# Altium PCB CSUEAF4 - 布局部分改动+扇孔.PcbDoc
Units mil, origin at the board's own origin, x right, y up, seen from the top; angles counter-clockwise.
Board outline 3937.01 x 3937.01 mil, 2 copper layers (Top Layer, Bottom Layer); 84 components, 104 nets, 448 pads, 71 vias.
Unrouted connection lines stored in the file: 132.
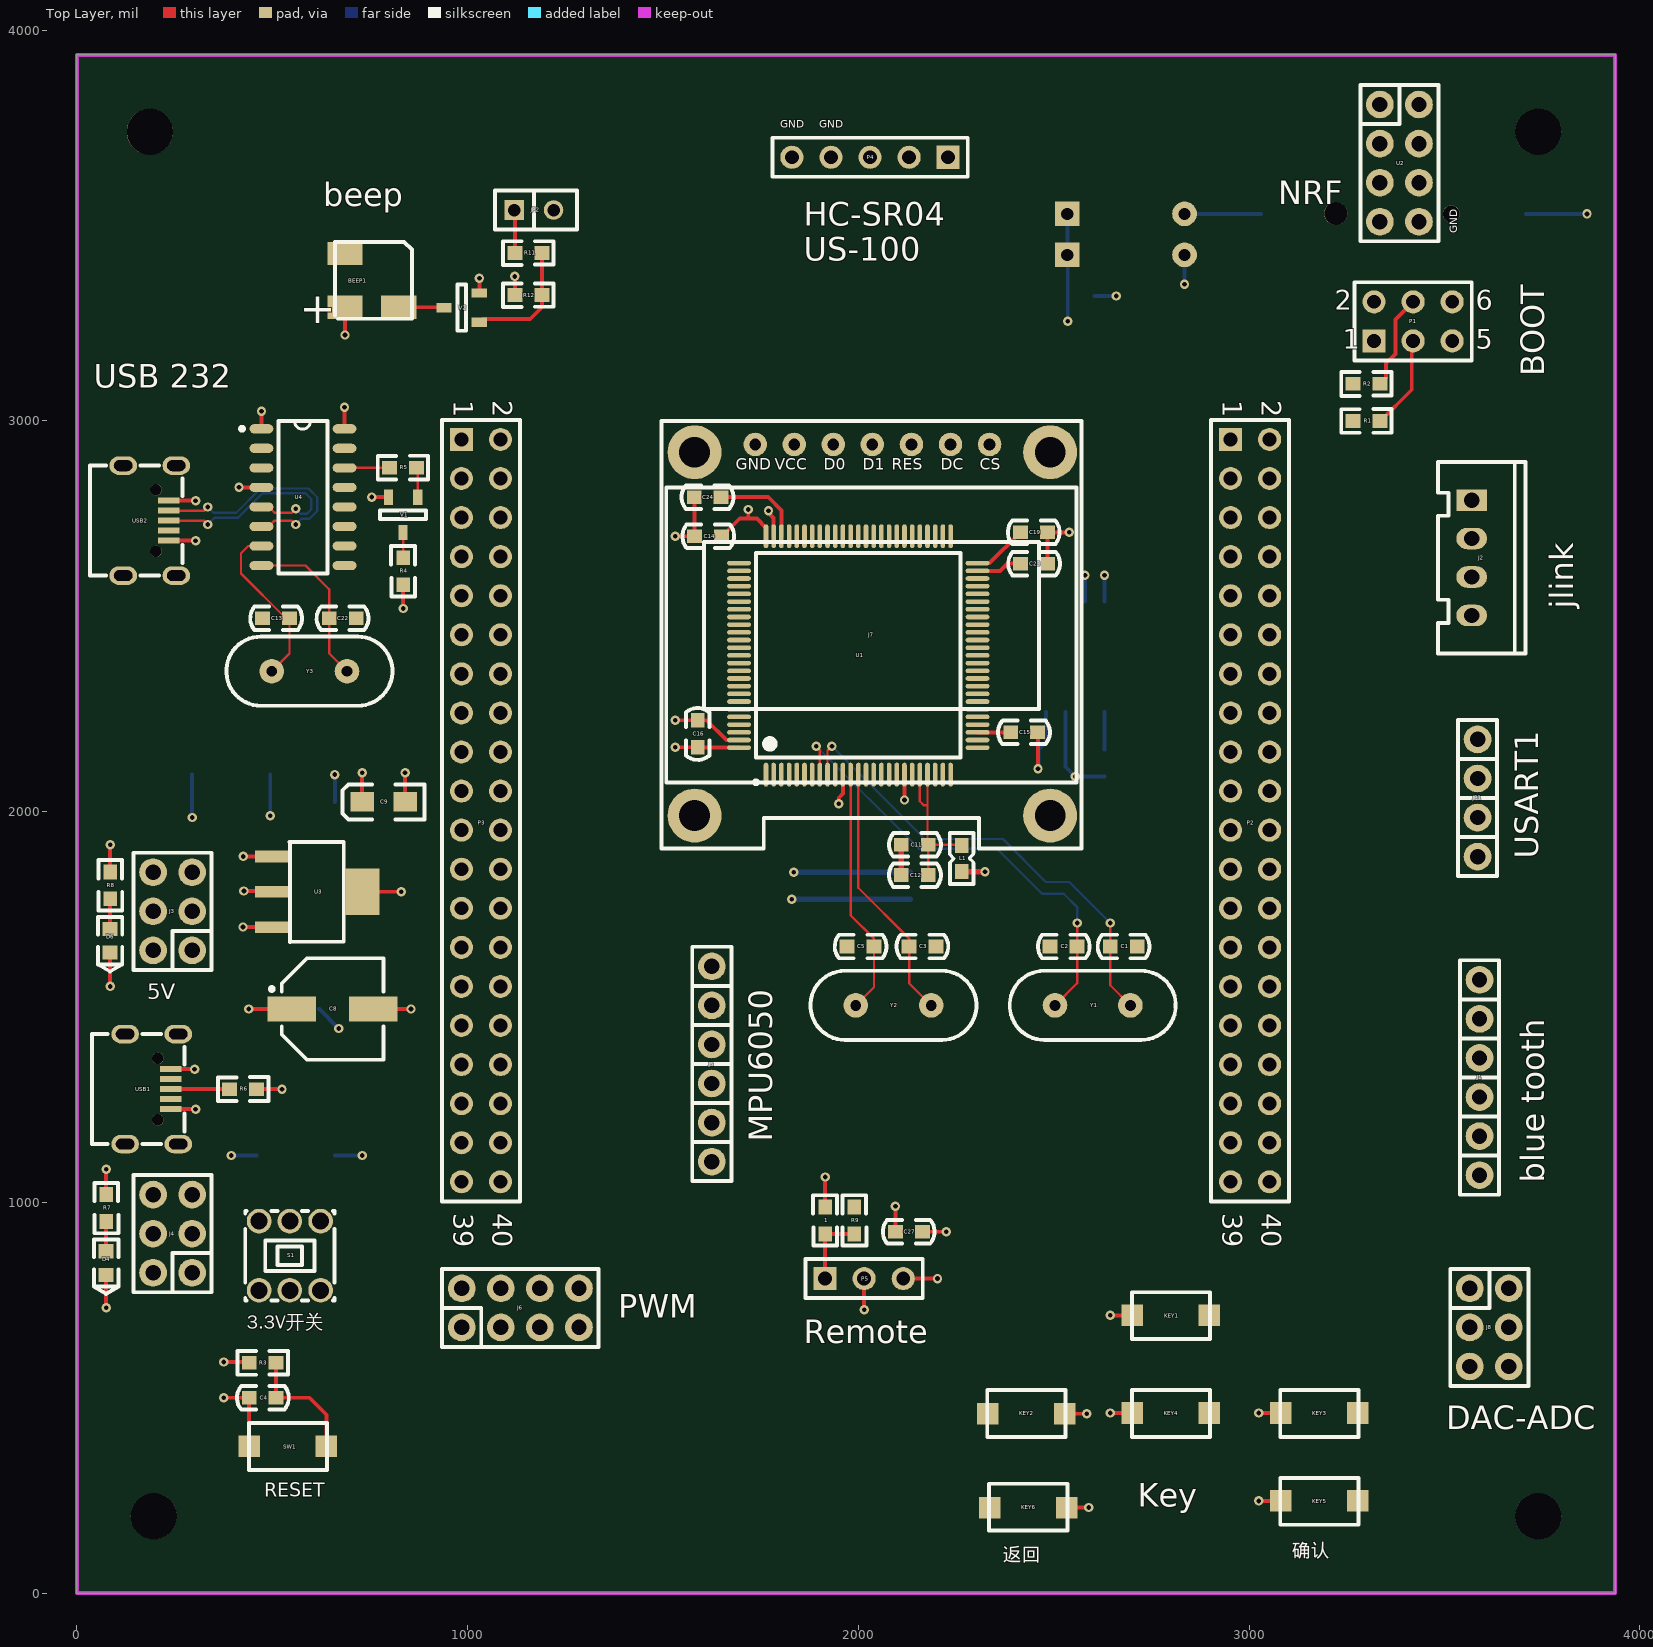
[diagram p0: Top Layer view]
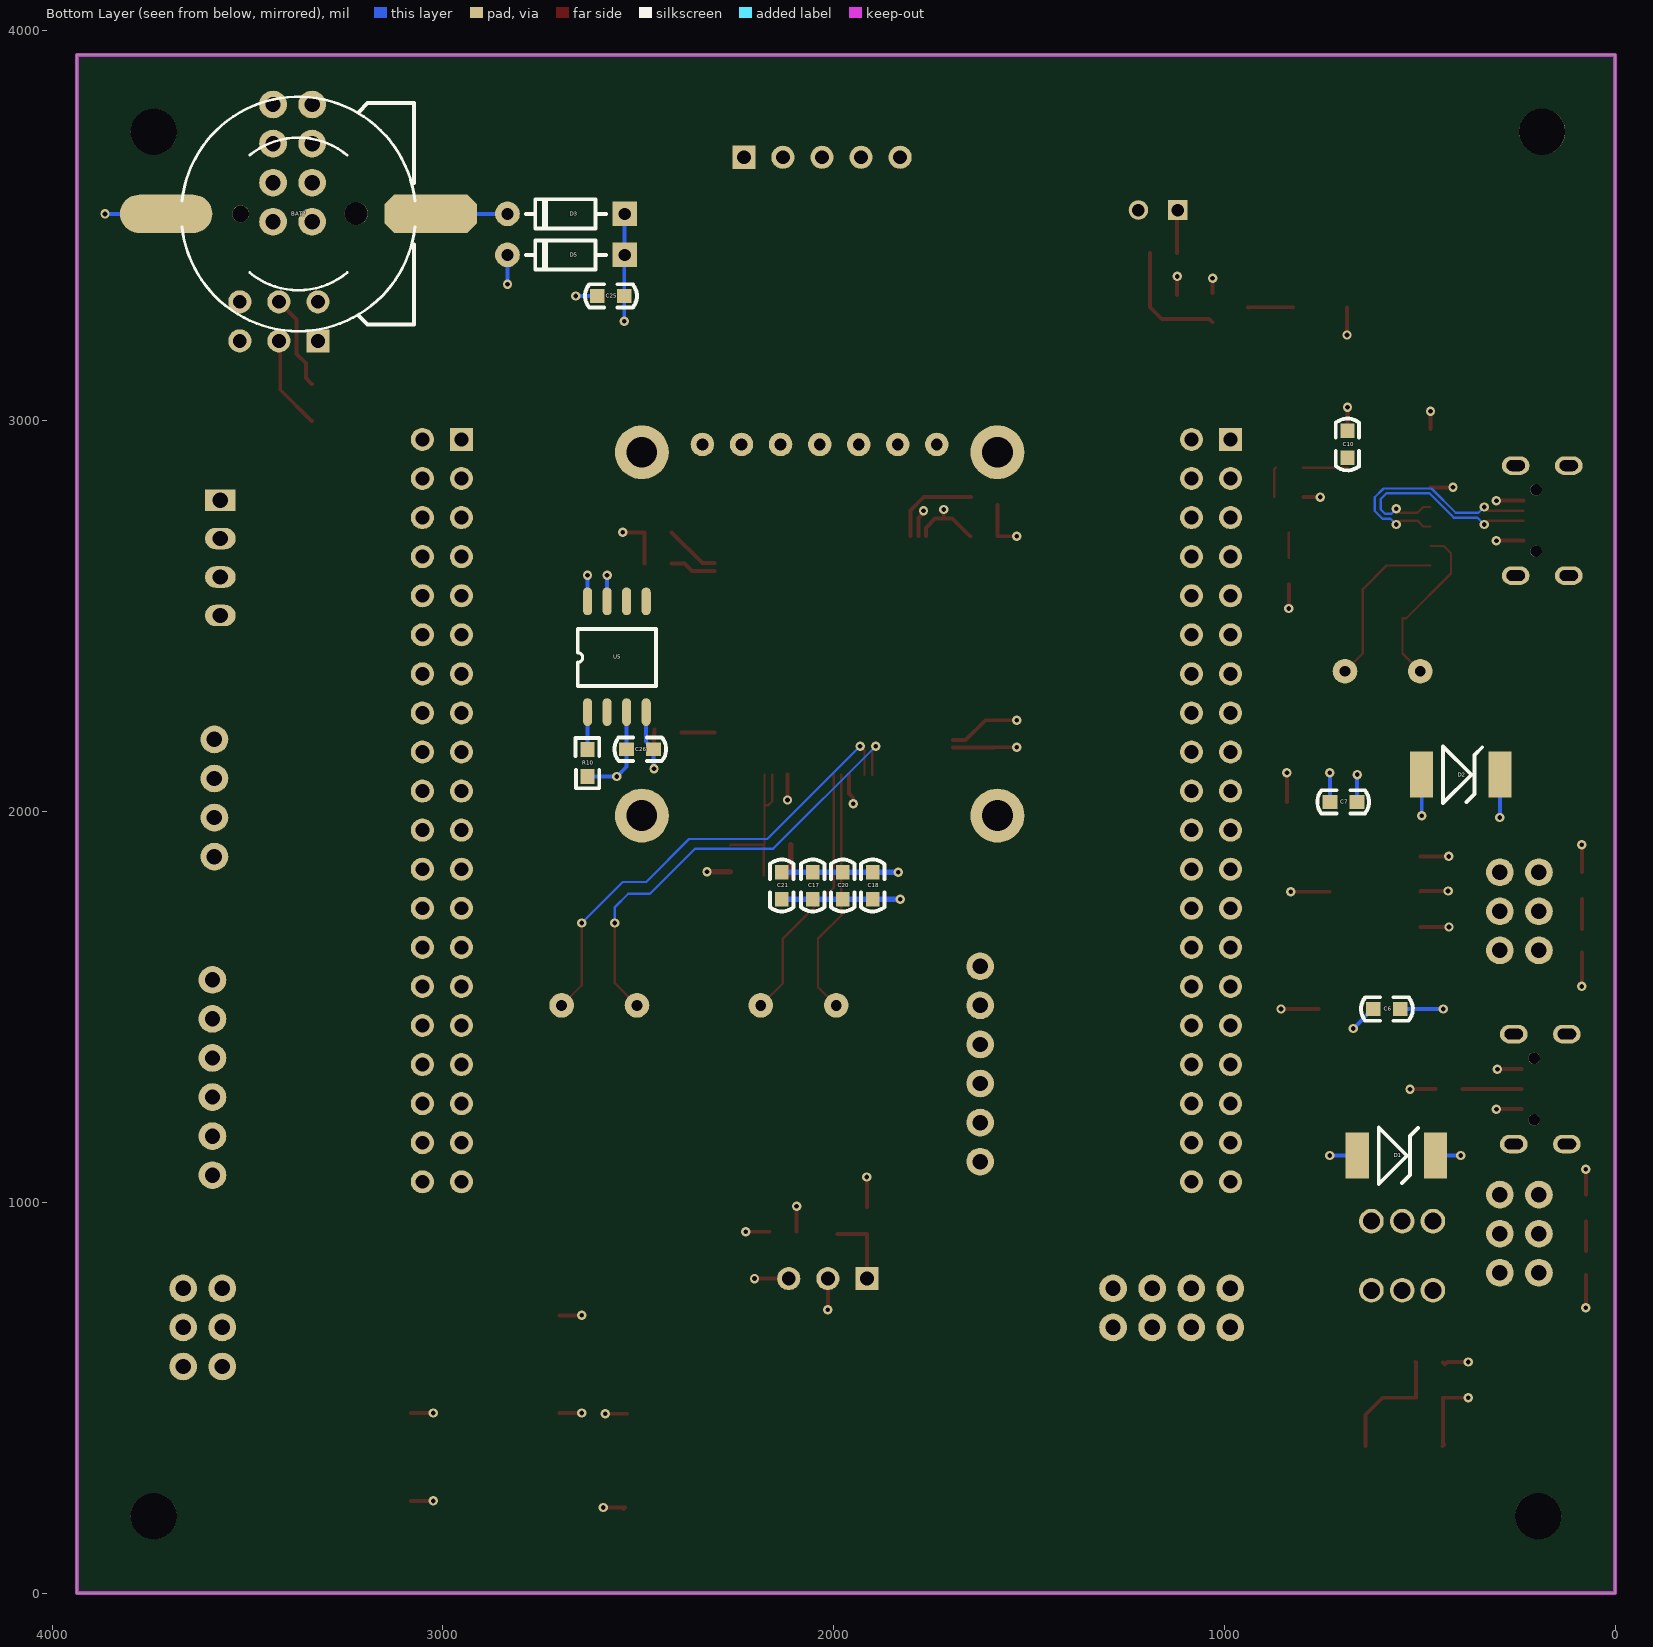
[diagram p1: Bottom Layer view, seen from below]

## Layer stack, top to bottom
Top Solder: solder mask 0.4, Solder Resist, Dk 3.5
Top Layer: signal copper 1.4
Dielectric 1: dielectric 12.6, FR-4, Dk 4.8
Bottom Layer: signal copper 1.4
Bottom Solder: solder mask 0.4, Solder Resist, Dk 3.5

## Board outline
0,0 3937.01,0 3937.01,3937.01 0,3937.01

## Design rules (kind name [scope] priority, off if disabled: settings)
Clearance ALL [All] p1: gap=6 ignorepadtopadclearanceinfootprint=FALSE
Clearance VIA-POLY [isvia vs inpolygon] p2: gap=6 ignorepadtopadclearanceinfootprint=FALSE
Clearance POLY [inpolygon] p3: gap=10 ignorepadtopadclearanceinfootprint=FALSE
PolygonConnect [All] p1: connectstyle=Relief reliefconductorwidth=18 reliefentries=4 polygonreliefangle="90 Angle" airgapwidth=10
RoutingVias [All] p1: holewidth=12 width=24 viastyle="Through Hole" minholewidth=12 minwidth=24 maxholewidth=12 maxwidth=24
SilkToSilkClearance [All] p1: silktosilkclearance=2
SilkToSolderMaskClearance [IsPad] p1: minsilkscreentomaskgap=2 clearancetoexposedcopper=TRUE
SolderMaskExpansion [All] p1: expansion=2.5
Width POW [InNetClass('POW')] p1: maxlimit=60 minlimit=10 preferedwidth=15
Width [All] p2: maxlimit=6 minlimit=6 preferedwidth=6
28 further rules are at their usual default settings.

## Classes and differential pairs
net class POW: 3V3 5V GND VBAT VUSB

## Components (designator, comment, footprint, x,y, rotation, side; value= is the part's Value field where it differs from the comment)
1 "电阻" R0603 1915,988.37 r270 top value=150R
BAT? "BATT" BATM 3370,3530 r90 bottom
BEEP1 "蜂鸣器" Beep-5.0*5.0 755,3360 r0 top
C1 "15pF" C0603 2714,1655 r180 top value=22pF
C2 "15pF" C0603 2491,1655 r0 top value=22pF
C3 "22pF" C0603 2199,1655 r180 top
C4 "104" C0603 441,500 r0 top value=22pF
C5 "22pF" C0603 1971,1655 r0 top
C6 "电容104" C0603 619,1495 r180 bottom value=22pF
C7 "电容104" C0603 661,2025 r0 bottom value=22pF
C8 "电解电容106" "贴片电解 6.3*5.4" 654.33,1495 r0 top value=100pF
C9 "钽电容106" 3216-ce 730,2025 r180 top value=100pF
C10 "104" C0603 685,2975 r270 bottom value=22pF
C11 "106" C0603 2110,1915 r0 top value=22pF
C12 "106" C0603 2110,1837.76 r0 top value=22pF
C13 "22pF" C0603 475,2495 r0 top
C14 "104" C0603 1581,2705 r0 top value=22pF
C15 "104" C0603 2459,2203.15 r180 top value=22pF
C16 "104" C0603 1588.78,2234 r270 top value=22pF
C17 "电容" C0603 2053.51,1776 r90 bottom value=22pF
C18 "104" C0603 1900.44,1776 r90 bottom value=22pF
C19 "104" C0603 2484,2715 r180 top value=22pF
C20 "104" C0603 1976.66,1776 r90 bottom value=22pF
C21 "104" C0603 2132.8,1776 r90 bottom value=22pF
C22 "22pF" C0603 715,2495 r180 top
C23 "225" C0603 2415,2635 r0 top value=22pF
C24 "225" C0603 1649,2805 r180 top value=22pF
C25 "104" C0603 2605,3320 r180 bottom value=22pF
C26 "104" C0603 2530,2160 r180 bottom value=22pF
C27 "104" C0603 2164,925 r180 top value=22pF
D1 "SMBJ3.3A" SMBJ 565,1120 r180 bottom
D2 "SMBJ5.0A" SMBJ 400,2095 r180 bottom
D3 "1N4148" DO-35 2685,3530 r180 bottom
D4 "LED" "LED 0603G" 75,844.68 r90 top
D5 "1N4148" DO-35 2685,3425 r180 bottom
D6 "LED" "LED 0603G" 85,1669.68 r90 top
J1 "SIP-6" 2.54排针1X6 3590,1369.69 r90 top
J2 "SIP-4" 2.54XH接插件4P 3570,2797.52 r270 top
J3 "PIN-6" 2.54排针2X3 295,1645 r90 top
J4 "PIN-6" 2.54排针2X3 295,820 r90 top
J5 "MPU6050" 2.54排针1X6 1625,1304.29 r270 top
J6 "TIM4_1234" 2.54排针2X4#1 985,680 r0 top
J7 "0.96OLED" "OLED 0.96" 1736,2940 r0 top
J8 "DAC_ADC" 2.54排针2X3 3565,780 r270 top
JP1 "SIP-4" 2.54排针1X4 3585,1885 r270 top
JP2 "JX2" SIP2 1120,3540 r0 top
KEY1 "SW" 按键微动开关2 2800,710 r180 top
KEY2 "SW" 按键微动开关2 2430,460 r0 top
KEY3 "SW" 按键微动开关2 3180,460 r180 top
KEY4 "SW" 按键微动开关2 2800,460 r180 top
KEY5 "SW" 按键微动开关2 3180,235 r180 top
KEY6 "SW" 按键微动开关2 2435,220 r0 top
L1 "10uH" L0603 2265,1885.55 r270 top
P1 "Header 3X2" HDR2X3 3320,3205 r0 top
P2 "Header 20X2" HDR2X20 2952.76,2952.76 r270 top
P3 "Header 20X2" HDR2X20 984.25,2952.76 r270 top
P4 "HC-SR04/US-100" HDR1X5 2230,3675 r180 top
P5 "HS0038" HDR1X3 1915,805 r0 top
R1 "10K" R0603 3335,3000 r180 top value=150R
R2 "10K" R0603 3266,3095 r0 top value=150R
R3 "10K" R0603 441,590 r0 top value=150R
R4 "10K" R0603 835,2650 r270 top value=150R
R5 "4.7K" R0603 869,2880 r180 top value=150R
R6 "1K" R0603 460,1290 r180 top value=150R
R7 "330" R0603 75,951 r90 top value=150R
R8 "1K" R0603 85,1777 r90 top value=150R
R9 "1K" R0603 1990,919.37 r90 top value=150R
R10 "10K" R0603 2630,2159 r270 bottom value=150R
R11 "4.7K" R0603 1121,3430 r0 top value=150R
R12 "10K" R0603 1121,3322.4 r0 top value=150R
S1 "SWITCH-6" 自锁开关 545,865 r180 top
SW1 "SW" 按键微动开关2 540,375 r180 top
U1 "STM32F407VET6" LQFP100 2000,2400 r90 top
U2 "NRF24L01" 2.54排针2X4#2 3335,3810 r270 top
U3 "AMS1117-3V3" SOT223 615,1795 r270 top
U4 "CH340G" SOIC16 472.4,2980 r0 top
U5 "W25Q80BL" W25Q-SO8 2630,2255 r90 bottom
USB1 "USB" MICRO-USB-5P4脚 135,1290 r270 top
USB2 "USB" MICRO-USB-5P4脚 130,2745 r270 top
V1 "NPN" SOT-23 835,2760 r180 top
V2 "NPN" SOT-23 985,3290 r90 top
Y1 "32KHz" OSC-HC-49S 2600,1504.29 r0 top
Y2 "8MHz" OSC-HC-49S 2090,1504.29 r0 top
Y3 "12MHz" OSC-HC-49S 595,2359.68 r180 top

## Footprints (in the part's own frame and the unit in brackets; to place one, negate y for a bottom-side part, rotate by r counter-clockwise, add the part's x,y. Pads: shape width x height; smd on the part's side, far side on the other; paste and mask are expansions set on the pad)
2.54XH接插件4P [mm]
  rect 1.4x2 hole 1: 1(0,0)
  oval 1.4x2 hole 1: 2(2.5,0) 3(5,0) 4(7.5,0)
  silkscreen extent -2.48,-2.2 9.98,3.5, body extent -2.5,-2.25 10,3.45, height 7
2.54排针1X4 [mm]
  round 1.8 hole 1: 1(-7.62,0) 2(-5.08,0) 3(-2.54,0) 4(0,0)
  silkscreen extent -8.89,-1.27 1.27,1.27, body extent -8.89,-1.27 1.27,1.27, height 2.5
2.54排针1X6 [mm]
  round 1.8 hole 1: 1(-7.62,0) 2(-5.08,0) 3(-2.54,0) 4(0,0) 5(2.54,0) 6(5.08,0)
  silkscreen extent -8.89,-1.27 6.35,1.27, body extent -8.89,-1.27 6.35,1.27, height 2.5
2.54排针2X3 [mm]
  round 1.8 hole 1: 1(0,0) 2(0,2.54) 3(2.54,0) 4(2.54,2.54) 5(5.08,0) 6(5.08,2.54)
  silkscreen extent -1.27,-1.27 6.35,3.81, body extent -1.27,-1.27 6.35,3.81, height 2.5
2.54排针2X4#1 [mm]
  round 1.8 hole 1: 1(0,0) 2(0,2.54) 3(2.54,0) 4(2.54,2.54) 5(5.08,0) 6(5.08,2.54) 7(7.62,0) 8(7.62,2.54)
  silkscreen extent -1.27,-1.27 8.89,3.81, body extent -1.27,-1.27 8.89,3.81, height 2.5
2.54排针2X4#2 [mm]
  round 1.8 hole 1: 1(0,0) 2(0,2.54) 3(2.54,0) 4(2.54,2.54) 5(5.08,0) 6(5.08,2.54) 7(7.62,2.54) 8(7.62,0)
  silkscreen extent -1.27,-1.27 8.89,3.81, body extent -1.27,-1.27 8.89,3.81, height 2.5
3216-ce [mil]
  rect 60x50 smd: 1(0,0) 2(-110,0)
  silkscreen extent -160,-45 50,45, body extent -122,-31 12,35, height 67
BATM [mm]
  round 1.1 hole 1.1 unplated: 0(0,3.748)
  round 1.5 hole 1.5 unplated: 0(0.025,-3.752)
  oct 2.5x6 smd: 1(0,-8.602)
  oval 2.5x6 smd: 2(0,8.598)
  silkscreen extent -7.62,-7.58 7.62,7.57
Beep-5.0*5.0 [mm]
  rect 2.3x1.5 smd: 1(-1.75,-1.75) 2(1.75,-1.75) 3(-1.75,1.75)
  silkscreen extent -2.4,-2.5 2.6,2.5, body extent -2.41,-2.54 2.67,2.54, height 2
C0603 [mil]
  rect 38x35 smd: 1(0,0) 2(69,0)
  silkscreen extent -31,-30 101,30, body extent 4,-16 67,16, height 12
DO-35 [mm]
  rect 1.6x1.6 hole 0.8: 1(3.81,0)
  round 1.6 hole 0.8: 2(-3.81,0)
  silkscreen extent -2.6,-0.95 2.6,0.95, body extent -4.1,-0.89 4.07,0.91, height 1.92
HDR1X3 [mm] "Connector; Header; 3 Position"
  rect 1.5x1.5 hole 0.9: 1(0,0)
  round 1.5 hole 0.9: 2(2.54,0) 3(5.08,0)
  silkscreen extent -1.27,-1.27 6.35,1.27
HDR1X5 [mm]
  rect 1.5x1.5 hole 0.9: 1(0,0)
  round 1.5 hole 0.9: 2(2.54,0) 3(5.08,0) 4(7.62,0) 5(10.16,0)
  silkscreen extent -1.27,-1.27 11.43,1.27
HDR2X3 [mm] "Connector; Header; 3x2 Position"
  rect 1.5x1.5 hole 0.9: 1(0,0)
  round 1.5 hole 0.9: 2(0,2.54) 3(2.54,0) 4(2.54,2.54) 5(5.08,0) 6(5.08,2.54)
  silkscreen extent -1.27,-1.27 6.35,3.81
HDR2X20 [mm] "Connector; Header; 20x2 Position"
  rect 1.5x1.5 hole 0.9: 1(0,0)
  round 1.5 hole 0.9: 2(0,2.54) 3(2.54,0) 4(2.54,2.54) 5(5.08,0) 6(5.08,2.54) 7(7.62,0) 8(7.62,2.54) 9(10.16,0) 10(10.16,2.54) 11(12.7,0) 12(12.7,2.54) 13(15.24,0) 14(15.24,2.54) 15(17.78,0) 16(17.78,2.54) 17(20.32,0) 18(20.32,2.54) 19(22.86,0) 20(22.86,2.54) 21(25.4,0) 22(25.4,2.54) 23(27.94,0) 24(27.94,2.54) 25(30.48,0) 26(30.48,2.54) 27(33.02,0) 28(33.02,2.54) 29(35.56,0) 30(35.56,2.54) 31(38.1,0) 32(38.1,2.54) 33(40.64,0) 34(40.64,2.54) 35(43.18,0) 36(43.18,2.54) 37(45.72,0) 38(45.72,2.54) 39(48.26,0) 40(48.26,2.54)
  silkscreen extent -1.27,-1.27 49.53,3.81
L0603 [mil]
  rect 38x35 smd: 1(-28,0) 2(38.87,0)
  silkscreen extent -60,-31 71,30, body extent -24,-15 36,15, height 20
"LED 0603G" [mm] "绿色0603LED"
  rect 0.93x0.98 smd: A(0.77,0) K(-0.77,0)
  silkscreen extent -2,-0.79 1.53,0.79, body extent -0.8,-0.4 0.8,0.4, height 0.61
LQFP100 [mm] "100-pin low-profile quad flat"
  oval 1.55x0.3 smd: 1(-7.75,6) 2(-7.75,5.5) 3(-7.75,5) 4(-7.75,4.5) 5(-7.75,4) 6(-7.75,3.5) 7(-7.75,3) 8(-7.75,2.5) 9(-7.75,2) 10(-7.75,1.5) 11(-7.75,1) 12(-7.75,0.5) 13(-7.75,0) 14(-7.75,-0.5) 15(-7.75,-1) 16(-7.75,-1.5) 17(-7.75,-2) 18(-7.75,-2.5) 19(-7.75,-3) 20(-7.75,-3.5) 21(-7.75,-4) 22(-7.75,-4.5) 23(-7.75,-5) 24(-7.75,-5.5) 25(-7.75,-6) 51(7.75,-6) 52(7.75,-5.5) 53(7.75,-5) 54(7.75,-4.5) 55(7.75,-4) 56(7.75,-3.5) 57(7.75,-3) 58(7.75,-2.5) 59(7.75,-2) 60(7.75,-1.5) 61(7.75,-1) 62(7.75,-0.5) 63(7.75,0) 64(7.75,0.5) 65(7.75,1) 66(7.75,1.5) 67(7.75,2) 68(7.75,2.5) 69(7.75,3) 70(7.75,3.5) 71(7.75,4) 72(7.75,4.5) 73(7.75,5) 74(7.75,5.5) 75(7.75,6)
  oval 0.3x1.55 smd: 26(-6,-7.75) 27(-5.5,-7.75) 28(-5,-7.75) 29(-4.5,-7.75) 30(-4,-7.75) 31(-3.5,-7.75) 32(-3,-7.75) 33(-2.5,-7.75) 34(-2,-7.75) 35(-1.5,-7.75) 36(-1,-7.75) 37(-0.5,-7.75) 38(0,-7.75) 39(0.5,-7.75) 40(1,-7.75) 41(1.5,-7.75) 42(2,-7.75) 43(2.5,-7.75) 44(3,-7.75) 45(3.5,-7.75) 46(4,-7.75) 47(4.5,-7.75) 48(5,-7.75) 49(5.5,-7.75) 50(6,-7.75) 76(6,7.75) 77(5.5,7.75) 78(5,7.75) 79(4.5,7.75) 80(4,7.75) 81(3.5,7.75) 82(3,7.75) 83(2.5,7.75) 84(2,7.75) 85(1.5,7.75) 86(1,7.75) 87(0.5,7.75) 88(0,7.75) 89(-0.5,7.75) 90(-1,7.75) 91(-1.5,7.75) 92(-2,7.75) 93(-2.5,7.75) 94(-3,7.75) 95(-3.5,7.75) 96(-4,7.75) 97(-4.5,7.75) 98(-5,7.75) 99(-5.5,7.75) 100(-6,7.75)
  silkscreen extent -8.37,-6.65 6.65,6.77, body extent -8,-8 8,8, height 1.6
MICRO-USB-5P4脚 [mm]
  rect 0.4x1.4 smd: 1(-1.3,2.66) 2(-0.65,2.66) 3(0,2.66) 4(0.65,2.66) 5(1.3,2.66)
  oval 1.2x1.8 hole 0.7 slot 1.2 at 90 deg: 6(-3.575,3.16) 6(-3.575,-0.29) 6(3.575,3.16) 6(3.575,-0.29)
  round 0.75 hole 0.75 unplated: ""(-2,1.835) ""(2,1.835)
  silkscreen extent -3.57,-2.44 3.57,3.57
"OLED 0.96" [mil]
  round 137.8 hole 78.74: 0(-155,-950) 0(-155,-20) 0(755,-950) 0(755,-20)
  round 60 hole 30: 1(0,0) 2(100,0) 3(200,0) 4(300,0) 5(400,0) 6(500,0) 7(600,0)
  silkscreen extent -240,-1034 835,60, body extent -228,-1036 824,61, height 334
OSC-HC-49S [mm]
  round 1.6 hole 0.7: 1(-2.45,0) 2(2.45,0)
  silkscreen extent -5.39,-2.25 5.39,2.25, body extent -5.39,-2.27 5.41,2.23, height 3.6
R0603 [mil] "1/10W"
  rect 38x35 smd: 1(0,0) 2(69,0)
  silkscreen extent -30,-31 99,30, body extent 4,-16 66,16, height 18
SIP2 [mil]
  rect 50x50 hole 32: 1(0,0)
  round 50 hole 32: 2(100,0)
  silkscreen extent -50,-50 160,50
SMBJ [mm]
  rect 1.5x3 smd: 1(-2.413,0) 2(2.667,0)
  silkscreen extent -1.02,-1.85 1.52,1.83
SOIC16 [mm] "SOIC16-39MM"
  oval 1.55x0.6 smd: 1(0,0) 2(0,-1.27) 3(0,-2.54) 4(0,-3.81) 5(0,-5.08) 6(0,-6.35) 7(0,-7.62) 8(0,-8.89) 9(5.4,-8.89) 10(5.4,-7.62) 11(5.4,-6.35) 12(5.4,-5.08) 13(5.4,-3.81) 14(5.4,-2.54) 15(5.4,-1.27) 16(5.4,0)
  silkscreen extent -1.39,-9.4 4.3,0.51
SOT223 [mm]
  rect 0.76x2.2 smd: 1(-2.3,-2.95) 2(0,-2.95) 3(2.3,-2.95)
  rect 3x2.2 smd: 2(0,2.95)
  silkscreen extent -3.25,-1.8 3.26,1.73, body extent -3.25,-3.5 3.25,3.5, height 1.69
SOT-23 [mm] "SOT-23-3"
  rect 0.6x1 smd: 1(-0.95,-1.15) 2(0.95,-1.15) 3(0,1.15)
  silkscreen extent -1.5,-0.27 1.5,0.27, body extent -1.46,-1.28 1.46,1.27, height 0.99
W25Q-SO8 [mm]
  oval 1.8x0.6 smd: 1(0,0) 2(0,-1.27) 3(0,-2.54) 4(0,-3.81) 5(7.2,-3.81) 6(7.2,-2.54) 7(7.2,-1.27) 8(7.2,0)
  silkscreen extent 1.69,-4.44 5.4,0.63, body extent -0.45,-4.63 7.65,0.83, height 1.75
按键微动开关2 [mm]
  rect 1.4x1.4 smd: 1(-2.5,-0.024) 2(2.5,-0.024)
  silkscreen extent -2.54,-1.52 2.54,1.52, body extent -2.5,-1.52 2.5,1.48, height 2.1
自锁开关 [mm] "PB12E06371， GANGYUAN(港源)"
  round 1.6 hole 1.1: 1(-2,-2.214) 2(0,-2.214) 3(2,-2.214) 4(-2,2.286) 5(0,2.286) 6(2,2.286)
  silkscreen extent -2.9,-2.86 2.9,2.94
"贴片电解 6.3*5.4" [mm] "贴片电解 6.3*5.4"
  rect 3.15x1.6 smd: 1(-2.65,0) 2(2.65,0)
  silkscreen extent -4.07,-3.3 3.3,3.3, body extent -3.5,-3.3 3.5,3.3, height 5.4

## Part data
1: "Resistor", LatestRevisionDate=17-Jul-2002, LatestRevisionNote="Re-released for DXP Platform.", PackageDescription="Axial Device, Thru-Hole; 2 Leads; 0.3 in Pin Spacing", PackageReference=AXIAL-0.3, Published=8-Jun-2000, Publisher="Altium Limited"
BAT?: library part BAT
C1 C2 C3 C4 C5 C6 C7 C10 C11 C12 C13 C14 C15 C16 C18 C19 C20 C21 C22 C23 C24 C25 C26 C27: library part 电容, "Capacitor", LatestRevisionDate=17-Jul-2002, LatestRevisionNote="Re-released for DXP Platform.", PackageDescription="Radial Cap, Thru-Hole; 2 Leads; 0.3 in Pin Spacing", PackageReference=RAD-0.3, Published=8-Jun-2000, Publisher="Altium Limited"
C8 C9: library part 电解电容, "Polarized Capacitor (Axial)", LatestRevisionDate=17-Jul-2002, LatestRevisionNote="Re-released for DXP Platform.", PackageDescription="Polarized Capacitor; 2 Leads", PackageReference=POLAR0.8, Published=8-Jun-2000, Publisher="Altium Limited"
C17: "Capacitor", LatestRevisionDate=17-Jul-2002, LatestRevisionNote="Re-released for DXP Platform.", PackageDescription="Radial Cap, Thru-Hole; 2 Leads; 0.3 in Pin Spacing", PackageReference=RAD-0.3, Published=8-Jun-2000, Publisher="Altium Limited"
D1 D2: library part SMBJ, "TVS"
D3 D5: "开关二极管"
J6: library part PIN-8
J7: library part OLED_SPI
J8: library part PIN-6
JP2: "Connector"
KEY1 KEY2 KEY3 KEY4 KEY5 KEY6 SW1: library part Switch, "Single-Pole, Single-Throw Switch"
L1: library part 磁珠
P1: "Header, 3-Pin, Dual row", LatestRevisionDate=17-Jul-2002, LatestRevisionNote="Re-released for DXP Platform.", Publisher="Altium Limited"
P2 P3: "Header, 20-Pin, Dual row", LatestRevisionDate=17-Jul-2002, LatestRevisionNote="Re-released for DXP Platform.", Publisher="Altium Limited"
P4: "超声波测距模块"
P5: library part "Header 3", "Header, 3-Pin", LatestRevisionDate=17-Jul-2002, LatestRevisionNote="Re-released for DXP Platform.", Publisher="Altium Limited"
R1 R2 R3 R4 R5 R6 R7 R8 R9 R10 R11 R12: library part 电阻, "Resistor", LatestRevisionDate=17-Jul-2002, LatestRevisionNote="Re-released for DXP Platform.", PackageDescription="Axial Device, Thru-Hole; 2 Leads; 0.3 in Pin Spacing", PackageReference=AXIAL-0.3, Published=8-Jun-2000, Publisher="Altium Limited"
S1: "自锁开关"
U1: BOM_LCSC Assembly=Yes, BOM_Manufacturer=STMicroelectronics, BOM_Manufacturer Part=STM32F407VET6, BOM_Supplier=LCSC, BOM_Supplier Part=C28730, image=//image.lceda.cn/szlcsc/C28730.jpg, SMT Type=Basic, spicePre=U
U2: "NRF24L01模块排母"
U3: library part 三端稳压, "三端稳压芯片", BOM名称=ÎÈÑ, 学习资源=www.ooocke.
V1 V2: "NPN Bipolar Transistor", Code_JEDEC=TO-226-AA, LatestRevisionDate=17-Jul-2002, LatestRevisionNote="Re-released for DXP Platform.", PackageDescription="TO, Flat Index; 3 In-Line, Axial Leads; Body Dia. 4.8mm; Leads 0.55 x 0.51 mm (max)", PackageReference=TO-226-AA, Published=8-Jun-2000, Publisher="Altium Limited"
Y1 Y2 Y3: library part XTAL, "Crystal Oscillator", LatestRevisionDate=17-Jul-2002, LatestRevisionNote="Re-released for DXP Platform.", PackageDescription="Crystal, Thru-Hole; 2 Leads; Body 3.1 x 8.2 mm (Dia.xH)", PackageReference=R38, Published=8-Jun-2000, Publisher="Altium Limited"

## Free pads (board coordinates)
  round 118.11 hole 118.11 unplated: 1(186.85,3740.16) 2(3740.16,3740.16) 3(3740.16,196.85) 4(196.85,196.85)

## Via types
v1: diameter 24, hole 12, Top Layer to Bottom Layer, 71 vias

## Nets (pads, with @x,y where several pads share a name; then routed paths per layer and width w, separated by ;. In a path a pad name is that pad's centre, name@x,y a point inside that pad or via, vN(x,y) a via of type N, cw(c..) or ccw(c..) an arc to the next point about the centre after c; other vN are vias at no path point)
3V3: 1.1 BEEP1.1 C7.2 C9.1 C10.1 C14.2 C15.2 C16.2 C17.2 C18.2 C19.2 C20.2 C21.2 C26.1 C27.1 D1.2 D5.2 J1.2 J2.1 J4.1 J4.3 J4.5 J5.6 J7.2 JP1.1 L1.2 P1.1 P1.2 P2.1 P2.2 P4.1 P5.3 R3.1 R4.2 R6.1 R7.2 R10.2 U1.11 U1.19 U1.28 U1.50 U1.75 U1.100 U2.2 U3.2 U4.4 U4.16 U5.3 U5.7 U5.8 | length 2610.5
  Top Layer w10: R7.2 v1(75,1085) ; v1(375.58,591.57) 429.43,591.57 436,585 R3.1 ; v1(415,2830) U4.4 ; v1(427.5,1796.95) 496.91,1796.95 U3.2@498.86,1795 ; R6.1 v1(525,1290) ; U4.16 v1(685,3035) ; v1(686.1,3220) BEEP1.1 ; C9.1 v1(730,2100) ; U3.2@731.14,1795 v1(830,1795) ; v1(835,2520) R4.2 ; v1(1531.22,2165) C16.2 1589.72,2164.06 1694.6,2164.06 U1.100 ; C14.2 1651.5,2705 1696.5,2750 1718.41,2750 ; v1(1718.41,2773.41) 1718.41,2750 ; U1.75 1763.78,2726.54 1740.32,2750 1718.41,2750 ; 1.1 v1(1915,1065) ; v1(1950,2020) 1950,2035.49 1960.63,2046.12 U1.11 ; P5.3 v1(2202.8,805) ; 2118.11,2046.12 v1(2118.11,2030) U1.19 ; C27.1 v1(2225,925) ; U1.28 C15.2 ; U1.50 2336.22,2636.22 C19.2
  Top Layer w15: L1.2@2265,1846.13 v1(2324.28,1846.13)
  Bottom Layer w10: v1(395,1120) D1.2 ; C7.2 v1(730,2100) ; U5.3 C26.1 2530,2115 v1(2555,2090) R10.2 ; U5.7 v1(2580,2605) ; U5.8 v1(2630,2605) ; v1(2835,3350) D5.2
  Bottom Layer w15: v1(1835,1845) C18.2 C20.2 C17.2 C21.2
5V: C6.2 C8.1 D2.2 J3.1 J3.3 J3.5 R8.2 S1.3 U3.3 | length 473.1
  Top Layer w10: R8.2 v1(85,1915) ; v1(425,1705) 425.55,1704.45 U3.3 ; v1(440,1495) C8.1
  Bottom Layer w10: v1(295,1985) D2.2 ; v1(440,1495) C6.2
ADC1_CH0: J8.2 P2.35 U1.23
ADC2_CH1: J8.4 P2.36 U1.24
ADC3_CH2: J8.6 P2.33 U1.25 U2.3
BEEP: JP2.2 P3.18 U1.81
BOOT0: R1.2 R4.1 U1.94 V1.3 | length 64.7
  Top Layer w6: R4.1 V1.3
BOOT1: P2.23 R2.1 U1.37
CH340_RESET: C4.2 R3.2 SW1.1 U1.14 U4.13 | length 319.3
  Top Layer w10: R3.2@511.57,591.57 R3.2 C4.2 595,500 638.43,456.57 SW1.1
CH340_RXD: JP1.2 P3.10 U1.68 U4.3
CH340_TXD: JP1.3 P3.11 U1.69 U2.4 U4.2
CH340_XI: C13.2 U4.7 Y3.2 | length 437.3
  Top Layer w6: U4.7 438.74,2680 420,2661.26 420,2609.8 534.8,2495 C13.2 544,2405.14 Y3.2
CH340_XO: C22.2 U4.8 Y3.1 | length 427
  Top Layer w6: U4.8 585,2630 646,2569 C22.2 646,2405.14 Y3.1
D0: J7.3 P3.22 U1.85
D1: J7.4 P3.21 U1.84
DAC1_OUT: J8.1 P2.31 R10.1 U1.29 U5.1 | length 96
  Bottom Layer w10: R10.1 U5.1
DAC2_OUT: J8.3 P2.32 U1.30 U2.5 U5.6
DC: J7.6 P3.19 U1.82
Echo: P2.25 P4.3 U1.35
GND: BAT?.2 C1.1 C2.1 C3.1 C4.1 C5.1 C6.1 C7.1 C8.2 C9.2 C10.2 C11.1 C12.1 C13.1 C14.1 C15.1 C16.1 C17.1 C18.1 C19.1 C20.1 C21.1 C22.1 C23.2 C24.2 C25.1 C26.2 C27.2 D1.1 D2.1 D4.K D6.K J1.3 J2.4 J3.2 J3.4 J3.6 J4.2 J4.4 J4.6 J5.5 J6.2 J6.4 J6.6 J6.8 J7.1 J7.7 J8.5 JP1.4 KEY1.2 KEY2.2 KEY3.2 KEY4.2 KEY5.2 KEY6.2 P1.5 P1.6 P3.1 P3.2 P4.4 P4.5 P5.2 R12.1 SW1.2 U1.10 U1.20 U1.27 U1.74 U1.99 U2.1 U3.1 U4.1 U5.4 USB1.5 USB2.5 V1.2 V2.2 | length 3085.6
  Top Layer w10: v1(75,730) D4.K ; v1(85,1552.76) D6.K ; USB2.5 v1(303.82,2693.82) ; USB1.5 v1(303.82,1238.82) ; v1(375.58,500) C4.1 441,383.48 437.52,380 SW1.2 ; v1@425,1885 v1(425.55,1885.55) U3.1 ; U4.1 v1(472.4,3025) ; v1(755,2805.28) V1.2 ; C8.2 v1(855,1495) ; C9.2 v1(840,2100) ; V2.2 v1(1030.28,3365) ; R12.1 v1(1121,3370) ; v1(1531.22,2234) C16.1 1611.98,2234 1662.52,2183.46 U1.99 ; v1(1531.22,2705) C14.1 1580.5,2705.5 1580.5,2784.5 1580,2785 ; v1(1770,2770.59) 1770,2765 1783.46,2751.54 U1.74 ; v1(2015,725) P5.2 ; C27.2 v1(2095,990) ; C15.1@2459,2210 C15.1 2460,2202.15 v1(2460,2110) ; C23.2 C19.1 v1(2540,2715) ; KEY2.2 v1(2585,459.06) ; KEY6.2@2537.48,215 KEY6.2 v1(2590,219.06) ; v1(2645,460.94) KEY4.2 ; v1(2645,710.94) KEY1.2 ; v1(3025,235.94) KEY5.2 ; v1(3025,460.94) KEY3.2
  Top Layer w15: C12.1 C11.1
  Bottom Layer w10: v1(495,1990) D2.1 ; C6.1 620.5,1495 v1@670,1445.5 ; D1.1 v1(730,1120) ; C7.1@660,2026 C7.1 v1@661,2095 ; v1@2461,2115 C26.2 2462.5,2160 2472.5,2170 2472.5,2171.5 2480,2179 U5.4 ; C25.1 v1(2660,3320) ; BAT?.2 v1(3865,3530)
  Bottom Layer w15: v1(1830,1776) C18.1 C20.1 C17.1 C21.1
  other v1: 670,1445 660,2095
I2C1_SCL: J5.3 J5.4 J6.1 J6.3 J6.5 J6.7 P3.28 P3.29 P3.30 P3.31 P3.32 U1.91 U1.92 U1.93 U1.95 U1.96
I2C2_SCL: J1.5 P2.13 U1.47
I2C2_SDA: J1.4 P2.14 U1.48
I2C3_SCL: P3.9 R9.2 U1.67
I2C3_SDA: P3.8 U1.66
JTDI: P3.14 U1.77
JTDO: P3.26 U1.89
JTRST: P3.27 U1.90
KEY: J1.1 P2.40 U1.16
KEY1: KEY1.1 P3.33 U1.97
KEY2: KEY2.1 P3.34 U1.98
KEY3: KEY3.1 P3.35 U1.1
KEY4: KEY4.1 P3.36 U1.2
KEY5: KEY5.1 P3.37 U1.3
KEY6: KEY6.1 P3.38 U1.4
Net1_2: 1.2 P5.1 R9.1 | length 189.4
  Top Layer w10: P5.1 1.2 R9.1
NetBAT?_1: BAT?.1 D3.2 | length 196.4
  Bottom Layer w10: D3.2 BAT?.1
NetBEEP1_2: BEEP1.2 V2.3 | length 117.8
  Top Layer w10: BEEP1.2@824.99,3290 BEEP1.2 938.62,3291.1 V2.3
NetC11_2: C11.2 C12.2 L1.1 U1.21 U1.22 | length 436.5
  Top Layer w6: U1.21 2157.48,2026.52 2167.17,2016.83 2177.17,2016.83 ; U1.22 2177.17,2016.83 ; C12.2 C11.2 ; L1.1 2263.55,1915 C11.2 ; 2177.17,2016.83 2177.17,1916.83 C11.2
NetC23_1: C23.1 U1.49 | length 117.5
  Top Layer w10: U1.49 2363.17,2616.54 2381.63,2635 C23.1
NetC24_1: C24.1 U1.73 | length 234.3
  Top Layer w10: C24.1 1769.5,2805 1803.15,2771.35 U1.73
NetD4_A: D4.A R7.1 | length 76
  Top Layer w10: D4.A R7.1
NetD6_A: D6.A R8.1 | length 77
  Top Layer w10: D6.A R8.1
NetJP2_1: JP2.1 R11.1 | length 110.4
  Top Layer w10: JP2.1 1121,3539 R11.1
NetP1_3: P1.3 R1.1 | length 241.1
  Top Layer w10: R1.1 3336.5,3000 3416.5,3080 3416.5,3201.5 P1.3
NetP1_4: P1.4 R2.2 | length 246.1
  Top Layer w10: R2.2 3336.5,3095 3351,3109.5 3351,3147.75 3375,3171.75 3375,3260 P1.4
NetR5_1: R5.1 V1.1 | length 76.1
  Top Layer w6: R5.1 872.4,2876.6 V1.1
NetR5_2: R5.2 U4.14 | length 115
  Top Layer w6: U4.14 R5.2
NetR11_2: R11.2 R12.2 V2.1 | length 314.6
  Top Layer w10: V2.1 1039.09,3261.41 1160.41,3261.41 1190,3291 R12.2 R11.2
NetU4_5: U4.5 USB2.3 | length 583
  Top Layer w6: USB2.3 325,2745 v1(335,2735) ; U4.5 491.1,2780 506.1,2765 550,2765 v1(560,2775)
  Bottom Layer w6: v1(335,2735) 352.76,2752.76 412.76,2752.76 475,2815 585,2815 600,2800 600,2773.41 589.08,2762.49 572.51,2762.49 v1(560,2775)
NetU4_6: U4.6 USB2.2 | length 627.6
  Top Layer w6: USB2.2 325.59,2770.59 v1(335,2780) ; U4.6 491.1,2730 506.1,2745 550,2745 v1(560,2735)
  Bottom Layer w6: v1(335,2780) 350,2765 408.03,2765 470.03,2827 591.97,2827 593.97,2825 595,2825 615,2805 615,2770 595,2750 575,2750 v1(560,2735)
NRF_IRQ: P2.34 U1.26 U2.8
"OS 8M IN": C5.2 U1.12 Y2.1 | length 634.6
  Top Layer w6: U1.12 1980.32,1735.18 2040,1675.5 C5.2 2040,1550.75 Y2.1
"OS 8M OUT": C3.2 U1.13 Y2.2 | length 667.8
  Top Layer w6: U1.13 2000,1805.5 2130,1675.5 C3.2 2130,1560.75 Y2.2
"OS 32K IN": C2.2 U1.8 Y1.1 | length 1189.4
  Top Layer w6: v1(1892.5,2167.5) 1901.57,2158.43 U1.8 ; Y1.1 2560,1560.75 C2.2 v1(2560,1715)
  Bottom Layer w6: v1(1892.5,2167.5) 2155,1905 2355,1905 2470,1790 2526,1790 2560,1756 v1(2560,1715)
"OS 32K OUT": C1.2 U1.9 Y1.2 | length 1209.2
  Top Layer w6: U1.9 1921.26,2156.26 v1(1932.5,2167.5) ; v1(2645,1715) C1.2 2645,1555.75 Y1.2
  Bottom Layer w6: v1(1932.5,2167.5) 2170,1930 2370,1930 2480,1820 2540,1820 v1(2645,1715)
PA6: P2.29 U1.31 U2.7 U5.2
PA7: P2.30 U1.32 U2.6 U5.5
PA11: P3.12 U1.70 USB1.2
PA12: P3.13 R6.2 U1.71 USB1.3 | length 151.3
  Top Layer w10: USB1.3 R6.2
PA13: J2.2 U1.72
PA14: U1.76
PB1: P2.26 P4.2 U1.36
PB12: P2.11 U1.51
PB13: P2.12 U1.52
PB14: P2.9 U1.53
PB15: P2.10 U1.54
PC0: J1.6 P2.39 U1.15
PC2: P2.37 U1.17
PC3: P2.38 U1.18
PC4: P2.27 U1.33
PC5: P2.28 U1.34
PC6: P3.5 U1.63
PC7: P3.6 U1.64
PC8: P3.7 U1.65
PC10: P3.15 U1.78
PC11: P3.16 U1.79
PC12: P3.17 U1.80
PC13: P3.40 U1.7
PD2: J7.5 P3.20 U1.83
PD5: P3.23 U1.86
PD6: P3.24 U1.87
PD7: P3.25 U1.88
PD8: P2.7 U1.55
PD9: P2.8 U1.56
PD10: P2.5 U1.57
PD11: P2.6 U1.58
PD12: P2.3 U1.59
PD13: P2.4 U1.60
PD14: P3.3 U1.61
PD15: P3.4 U1.62
PE6: P3.39 U1.5
PE7: P2.24 U1.38
PE8: P2.21 U1.39
PE9: P2.22 U1.40
PE10: P2.19 U1.41
PE11: P2.20 U1.42
PE12: P2.17 U1.43
PE13: P2.18 U1.44
PE14: P2.15 U1.45
PE15: P2.16 U1.46
SWDCLK: J2.3
VBAT: C25.2 D3.1 D5.1 U1.6 | length 275.4
  Bottom Layer w10: D3.1 D5.1 2536,3424 C25.2 v1(2536,3255)
VUSB: S1.2 USB1.1 USB2.1 | length 130.5
  Top Layer w10: USB2.1 v1(303.82,2796.18) ; USB1.1 v1(301.18,1341.18)
pads on no net: BAT?.0 BEEP1.3 J5.1 J5.2 J7.0 S1.1 S1.4 S1.5 S1.6 U4.9 U4.10 U4.11 U4.12 U4.15 USB1. USB1.4 USB1.6 USB2. USB2.4 USB2.6

## Keep-outs
Keep-Out Layer:
  the board outline again, w10

## Other copper
Top Layer:
  text "TOP" at 280,4040 h60
Bottom Layer:
  text "BUTTOM" at 920,4040 h60

## Silkscreen, mask and mechanical layers (free items; w line width, h text height)
Top Overlay:
  text "GND" at 1800,3750 h20
  text "GND" at 1900,3750 h20
  text "NRF" at 3075,3555 h60
  text "beep" at 630,3550 h60
  text "GND" at 3533.43,3480 h20 r90
  text "HC-SR04 / US-100" at 1860,3410 h60
  text "BOOT" at 3755,3115 h60 r90
  text "USB 232" at 43.34,3085 h60
  text "jlink" at 3830,2520 h60 r90
  text "USART1" at 3740,1880 h60 r90
  text "5V" at 180,1520 h40
  text "MPU6050" at 1780,1155 h60 r90
  text "blue tooth" at 3755,1050 h60 r90
  text "PWM" at 1385,705 h60
  text "3.3V开关" at 435,665 h60
  text "Remote" at 1860,640 h60
  text "DAC-ADC" at 3505,420 h60
  text "RESET" at 480,235 h60
  text "Key" at 2715,220.76 h60
  text "确认" at 3110,80 h60
  text "返回" at 2370,70 h60

## Text inside footprints (layer, text, board x,y; h text height)
BEEP1: Top Overlay "+" at 570,3250 h80
J7: Top Overlay "CS" at 2311,2865 h50; Top Overlay "DC" at 2211,2865 h50; Top Overlay "RES" at 2086,2865 h50; Top Overlay "D1" at 2011,2865 h50; Top Overlay "D0" at 1911,2865 h50; Top Overlay "VCC" at 1786,2865 h50; Top Overlay "GND" at 1686,2865 h50
P1: Top Overlay "1" at 3240,3185 h50; Top Overlay "2" at 3220,3285 h50; Top Overlay "5" at 3580,3185 h50; Top Overlay "6" at 3580,3285 h50
P2: Top Overlay "39" at 2932.76,972.76 h50 r270; Top Overlay "40" at 3032.76,972.76 h50 r270; Top Overlay "2" at 3032.76,3052.76 h50 r270; Top Overlay "1" at 2932.76,3052.76 h50 r270
P3: Top Overlay "39" at 964.25,972.76 h50 r270; Top Overlay "40" at 1064.25,972.76 h50 r270; Top Overlay "2" at 1064.25,3052.76 h50 r270; Top Overlay "1" at 964.25,3052.76 h50 r270